# Allegro board 038RT-9068CJK8E-A100_0921.brd (continued)
## Routing (per net, layer and track width the routed paths; a pad name or vN(x,y) marks a point on that pad's centre or on a via; arc(x,y) is an arc through that point) (continued)
  BOTTOM w0.105: v1(132.06,272.43) 132.16,272.53 132.91,272.53 134.31,273.93 134.31,276.61 134.5,276.8 135.01,276.8 UNK2K184.22
  BOTTOM w0.115: v1(328.19,245.3) MUX4.4
S2_DCH_P5_HSO-: length 276.6
  L36_SIGNAL w0.1: v1(328.19,237.43) 328.45,237.68 328.45,241.08 328.56,241.2 331.77,241.2 332.31,241.74 332.31,244.37 330.3,246.38 325.08,246.38 322.04,243.35 322.04,240.89 313.71,232.56 243.95,232.56 243.16,231.76 207.59,231.76 206.36,232.99 206.36,246.32 203.66,249.02 127.08,249.02 126.1,250 126.1,251.13 125.2,252.03 125.2,259.41 126.1,260.32 126.1,264.01 133.5,271.41 133.5,272.35 132.9,272.94 132.21,272.94 v1(132.06,273.09)
  BOTTOM w0.105: UNK2K184.23 135.01,277.26 134.3,277.26 133.85,276.8 133.85,274.13 132.71,272.99 132.16,272.99 v1(132.06,273.09)
  BOTTOM w0.115: v1(328.19,237.43) MUX4.9
S2_DCH_P6_CLKREQB: length 163
  L03_SIGNAL w0.145: UNK2K211.4 318.07,419.04 320.75,419.04 321.62,418.17 321.62,416.25 318.25,412.88 318.25,395.59 322.56,391.27 322.56,279.58 325.77,276.37 325.77,270.45 328.06,268.16 v1(328.19,268.16)
  BOTTOM w0.115: v1(328.19,268.16) MUX11.4
S2_DCH_P6_HSI+: length 187.8
  L11_SIGNAL w0.14: 339.76,207.27 340.4,207.27 340.65,207.52 340.65,209.58 341.08,210.01 341.08,214.43 338.97,216.53 320.18,216.53 301.02,235.69 258.07,235.69 256.99,236.77 222.92,236.77 218.82,240.87 218.82,254.87 220.12,256.17 222.47,256.17 226.79,251.85 226.79,245.38 225.04,243.63 222.97,243.63
  L11_SIGNAL w0.15: v1(339.62,211.01) 339.62,207.41 339.76,207.27 ; 222.97,243.63 v1(222.83,243.49)
  BOTTOM w0.115: v1(339.62,211.01) MUX6.4
  BOTTOM w0.14: UNK2K214.24 227.01,245.88 226.08,245.88 223.83,243.63 222.97,243.63 v1(222.83,243.49)
S2_DCH_P6_HSI-: length 187.8
  L11_SIGNAL w0.14: 222.97,244.02 224.88,244.02 226.4,245.54 226.4,245.89 226.24,246.05 226.05,246.05 225.89,246.22 225.89,246.45 226.05,246.61 226.24,246.61 226.4,246.78 226.4,247.01 226.24,247.17 226.05,247.17 225.89,247.34 225.89,247.57 226.05,247.73 226.24,247.73 226.4,247.9 226.4,251.69 222.31,255.78 220.28,255.78 219.21,254.71 219.21,241.03 223.08,237.16 257.15,237.16 258.24,236.08 301.19,236.08 320.34,216.92 339.13,216.92 341.47,214.59 341.47,209.85 341.04,209.41 341.04,207.36 340.56,206.88 339.76,206.88
  L11_SIGNAL w0.15: 222.97,244.02 v1(222.83,244.15) ; 339.76,206.88 339.62,206.74 v1(339.62,203.14)
  BOTTOM w0.115: v1(339.62,203.14) MUX6.9
  BOTTOM w0.14: v1(222.83,244.15) 222.97,244.02 223.67,244.02 225.92,246.27 227.01,246.27 UNK2K214.25
S2_DCH_P6_HSO+: length 261.6
  L36_SIGNAL w0.14: 130.15,258.8 129.31,258.8 128.7,258.19 128.7,253.61 129.51,252.8 204.2,252.8 211.76,245.24 211.76,239.45 216.52,234.7 310.1,234.7 326.04,250.63 328.89,250.63 333.32,246.2 340.61,246.2 340.81,246 341.17,246 341.37,246.2 343.06,246.2 343.8,245.46 343.8,242.19 343.26,241.65 340.21,241.65
  L36_SIGNAL w0.15: v1(339.62,245.3) 339.86,245.07 339.86,242.01 340.21,241.65 ; v1(130.29,258.94) 130.15,258.8
  BOTTOM w0.115: v1(339.62,245.3) MUX7.4
  BOTTOM w0.14: UNK2K217.25 134.97,262.07 133.71,262.07 132.74,261.1 132.74,259.78 131.76,258.8 130.42,258.8 v1(130.29,258.94)
S2_DCH_P6_HSO-: length 261.6
  L36_SIGNAL w0.14: 340.23,241.26 343.42,241.26 344.19,242.03 344.19,245.62 343.22,246.59 333.49,246.59 329.05,251.02 325.88,251.02 309.94,235.09 216.68,235.09 212.15,239.61 212.15,245.4 204.37,253.19 129.67,253.19 129.09,253.77 129.09,258.02 129.48,258.41 130.15,258.41
  L36_SIGNAL w0.15: 340.23,241.26 339.89,240.92 339.89,237.69 v1(339.62,237.43) ; v1(130.29,258.28) 130.15,258.41
  BOTTOM w0.115: v1(339.62,237.43) MUX7.9
  BOTTOM w0.14: v1(130.29,258.28) 130.42,258.41 131.92,258.41 133.13,259.62 133.13,260.94 133.87,261.68 134.97,261.68 UNK2K217.24
S2_DCH_P6_ISOLATEB: length 247.4
  L07_SIGNAL w0.105: v1(339.62,233.87) 340.85,235.1 340.85,280.35 339,282.21 339,287.39 306.18,320.21 306.18,372 261.6,416.57 261.6,424.43 258.94,427.1 251.32,427.1 250.55,426.34 250.55,419.74 UNK2K220.4
  BOTTOM w0.115: v1(339.62,233.87) MUX13.4
S2_DCH_P6_LANWAKEB: length 184.5
  L03_SIGNAL w0.145: v1(339.62,268.16) 332.62,275.16 332.62,382.95 319.49,396.09 319.49,410.24 323.36,414.11 323.36,422.92 322.29,423.99 312.83,423.99 312.28,423.45 312.28,419.46 UNK2K212.4
  BOTTOM w0.115: v1(339.62,268.16) MUX12.4
S2_DCH_P6_PCIE_RESETB: length 248.4
  L07_SIGNAL w0.105: v1(339.62,222.44) 337.19,224.87 337.19,227.76 337.83,228.4 337.83,236.73 337.07,237.49 337.07,238.84 337.88,239.65 337.88,248.13 337.07,248.95 337.07,250.06 337.8,250.8 337.8,259.03 337.04,259.79 337.04,261.59 337.83,262.38 337.83,271.07 337.12,271.78 337.12,272.8 337.85,273.53 337.85,286.79 305.01,319.63 305.01,371.07 259.83,416.26 259.83,423.04 259.19,423.67 256.9,423.67 256.52,423.29 256.52,419.5 UNK2K221.4
  BOTTOM w0.115: v1(339.62,222.44) MUX14.4
S2_DCH_P6_REFCLK_100M+: length 191.5
  L11_SIGNAL w0.1: v1(327.87,211.01) 327.87,207.36 327.97,207.26 331.46,207.26 336.91,201.8 343.54,201.8 344.33,202.59 344.33,218.97 339.51,223.8 319.13,223.8 305.42,237.52 258.75,237.52 257.87,238.4 223.76,238.4 220.45,241.71 220.45,251.27 221.18,252 223.95,252 v1(224.1,252.15)
  BOTTOM w0.105: v1(224.1,252.15) 224.2,252.05 224.64,252.05 225.89,250.8 227.05,250.8 UNK2K214.34
  BOTTOM w0.115: v1(327.87,211.01) MUX5.4
S2_DCH_P6_REFCLK_100M-: length 191.5
  L11_SIGNAL w0.1: v1(327.87,203.14) 327.87,206.79 327.97,206.89 331.31,206.89 336.76,201.44 343.7,201.44 344.7,202.44 344.7,219.12 339.66,224.16 319.29,224.16 305.57,237.88 258.9,237.88 258.02,238.76 223.91,238.76 220.81,241.86 220.81,251.12 221.33,251.64 223.95,251.64 v1(224.1,251.49)
  BOTTOM w0.105: UNK2K214.33 227.05,250.34 225.7,250.34 224.45,251.59 224.2,251.59 v1(224.1,251.49)
  BOTTOM w0.115: v1(327.87,203.14) MUX5.9
S2_DCH_P7_CLKREQB: length 165.4
  L03_SIGNAL w0.145: v1(328.19,260.29) 328.11,260.38 327.59,260.38 326.93,261.04 326.93,261.95 326.37,262.51 326.37,268.81 325.14,270.05 325.14,276.05 321.83,279.36 321.83,391.11 317.61,395.33 317.61,415.38 UNK2K211.5
  BOTTOM w0.115: v1(328.19,260.29) MUX11.9
S2_DCH_P7_HSI+: length 180.4
  L11_SIGNAL w0.14: 339.76,195.84 343.09,195.84 346.41,199.16 346.41,231.22 341.72,235.92 322.34,235.92 318.68,239.57 259.45,239.57 258.93,240.1 248.44,240.1 247.07,241.47 235.02,241.47 234.86,241.3 234.86,241.12 234.69,240.95 234.46,240.95 234.3,241.12 234.3,241.3 234.13,241.47 233.9,241.47 233.74,241.3 233.74,241.12 233.57,240.95 233.34,240.95 233.18,241.12 233.18,241.3 233.01,241.47 232.26,241.47 230.78,242.94 227.37,242.94 226.06,241.63 224.24,241.63
  L11_SIGNAL w0.15: v1(339.62,199.58) 339.62,195.98 339.76,195.84 ; v1(224.1,241.49) 224.24,241.63
  BOTTOM w0.115: v1(339.62,199.58) MUX9.4
  BOTTOM w0.14: UNK2K214.22 227.01,244.88 226.23,244.88 225.74,244.39 225.74,242.55 224.82,241.63 224.24,241.63 v1(224.1,241.49)
S2_DCH_P7_HSI-: length 180.4
  L11_SIGNAL w0.14: 339.76,195.45 343.25,195.45 346.8,199 346.8,231.38 341.88,236.31 322.5,236.31 318.84,239.96 259.61,239.96 259.09,240.49 248.6,240.49 247.23,241.86 232.42,241.86 230.95,243.33 227.21,243.33 225.9,242.02 224.24,242.02
  L11_SIGNAL w0.15: v1(339.62,191.71) 339.62,195.31 339.76,195.45 ; v1(224.1,242.15) 224.24,242.02
  BOTTOM w0.115: v1(339.62,191.71) MUX9.9
  BOTTOM w0.14: v1(224.1,242.15) 224.24,242.02 224.66,242.02 225.35,242.71 225.35,244.55 226.06,245.27 227.01,245.27 UNK2K214.23
S2_DCH_P7_HSO+: length 259.4
  L36_SIGNAL w0.14: 131.93,256.8 130.77,256.8 130.22,256.25 130.22,255.22 130.77,254.67 134.59,254.67 135.05,255.14 207.63,255.14 216.03,246.73 216.03,240.72 219.54,237.21 307.51,237.21 317.8,247.51 317.8,250.51 321.89,254.61 329.4,254.61 332.74,257.95 341.22,257.95 341.43,257.75 341.78,257.75 341.99,257.95 343.41,257.95 344.12,257.24 344.12,253.94 343.26,253.08 340.21,253.08
  L36_SIGNAL w0.15: v1(132.06,256.94) 131.93,256.8 ; 340.21,253.08 339.86,253.44 339.86,256.5 v1(339.62,256.73)
  BOTTOM w0.115: v1(339.62,256.73) MUX10.4
  BOTTOM w0.14: v1(132.06,256.94) 132.2,256.8 133.09,256.8 133.73,257.44 133.73,260.62 134.18,261.07 134.97,261.07 UNK2K217.23
S2_DCH_P7_HSO-: length 259.4
  L36_SIGNAL w0.14: 131.93,256.41 130.93,256.41 130.61,256.09 130.61,255.39 130.93,255.06 134.43,255.06 134.89,255.53 207.79,255.53 216.42,246.89 216.42,240.88 219.7,237.6 307.34,237.6 317.41,247.67 317.41,250.67 321.73,255 329.24,255 332.58,258.34 343.57,258.34 344.51,257.4 344.51,253.78 343.42,252.69 340.23,252.69
  L36_SIGNAL w0.15: v1(132.06,256.28) 131.93,256.41 ; 340.23,252.69 339.89,252.35 339.89,249.12 v1(339.62,248.86)
  BOTTOM w0.115: v1(339.62,248.86) MUX10.9
  BOTTOM w0.14: UNK2K217.22 134.97,260.68 134.34,260.68 134.12,260.46 134.12,257.28 133.25,256.41 132.2,256.41 v1(132.06,256.28)
S2_DCH_P7_ISOLATEB: length 247.9
  L07_SIGNAL w0.105: v1(339.62,226) 339.01,226 338.44,226.57 338.44,233.25 338.85,233.65 338.85,235.61 340.27,237.03 340.27,280.11 338.41,281.97 338.41,287.15 305.6,319.96 305.6,371.75 261.05,416.31 261.05,422.83 259.57,424.31 254.24,424.31 253.35,423.42 253.35,419.33 UNK2K220.5
  BOTTOM w0.115: v1(339.62,226) MUX13.9
S2_DCH_P7_LANWAKEB: length 184
  L03_SIGNAL w0.145: UNK2K212.5 315.47,419.44 315.47,420.93 315.83,421.29 321.93,421.29 322.69,420.53 322.69,414.68 318.88,410.87 318.88,395.83 332.01,382.7 332.01,274.93 337.5,269.44 337.5,262.92 338.34,262.08 338.34,260.99 338.92,260.4 339.51,260.4 v1(339.62,260.29)
  BOTTOM w0.115: v1(339.62,260.29) MUX12.9
S2_DCH_P7_PCIE_RESETB: length 242.6
  L07_SIGNAL w0.105: UNK2K221.5 258.19,417.07 304.43,370.83 304.43,319.39 337.27,286.55 337.27,273.77 336.53,273.04 336.53,271.54 337.25,270.83 337.25,262.62 336.46,261.84 336.46,259.55 337.22,258.79 337.22,251.04 336.48,250.31 336.48,248.7 337.3,247.89 337.3,240.03 336.25,238.99 336.25,237.39 337.27,236.37 337.27,228.7 336.64,228.07 336.64,224.41 337.63,223.42 337.63,216.1 339,214.73 339.46,214.73 v1(339.62,214.57)
  BOTTOM w0.115: v1(339.62,214.57) MUX14.9
S2_DCH_P7_REFCLK_100M+: length 144.4
  L13_SIGNAL w0.1: v1(328.19,256.73) 328.19,253.08 328.29,252.98 328.71,252.98 329.15,253.42 329.15,254.41 329.68,254.94 329.68,257 329.07,257.61 323.02,257.61 303.46,238.05 223.36,238.05 220.77,240.65 220.77,249.32 221.45,250 222.68,250 v1(222.83,250.15)
  BOTTOM w0.105: v1(222.83,250.15) 222.93,250.05 224.56,250.05 224.81,249.8 227.05,249.8 UNK2K214.32
  BOTTOM w0.115: v1(328.19,256.73) MUX8.4
S2_DCH_P7_REFCLK_100M-: length 144.4
  L13_SIGNAL w0.1: v1(222.83,249.49) 222.68,249.64 221.6,249.64 221.13,249.17 221.13,240.8 223.52,238.42 303.31,238.42 322.87,257.97 329.22,257.97 330.04,257.15 330.04,254.79 329.52,254.26 329.52,253.27 328.86,252.61 328.29,252.61 328.19,252.51 v1(328.19,248.86)
  BOTTOM w0.105: UNK2K214.31 227.05,249.34 224.61,249.34 224.36,249.59 222.93,249.59 v1(222.83,249.49)
  BOTTOM w0.115: v1(328.19,248.86) MUX8.9
S2_DISB: length 56.2
  L07_SIGNAL w0.105: v1(225.31,266.2) 227.17,264.34 236.8,264.34 241.05,260.08 275.96,260.08 v1(278.1,262.22)
S2_DPS_AVDD09: length 0.8
  TOP w0.203: UNK2ST2.1 v2(326.04,438.48)
  vias: v2(324.5,454.28) v2(324.5,453.01) v2(324.5,451.74) v2(324.5,449.2) v2(324.5,447.93) v2(324.5,446.66) v2(325.71,442.95) v2(325.71,440.44) v2(325.77,454.28) v2(325.77,453.01) v2(325.77,451.74) v2(325.77,449.2) v2(325.77,447.93) v2(325.77,446.66) v2(328.05,444.37) v2(328.05,443.1) v2(328.05,441.83) v2(328.05,439.8) v2(328.05,438.53) v2(328.05,437.26)
S2_DPS_AVDD33:
  vias: v1(265.77,265.82) v1(265.77,265.19) v1(265.77,263.66) v1(266.4,265.82) v1(266.4,265.19) v1(266.4,263.66) v2(164.24,450.52) v2(164.24,444.17) v2(164.24,442.9) v2(164.24,435.28) v2(164.24,432.1) v2(164.24,425.75) v2(164.24,424.48) v2(165.51,450.52) v2(165.51,444.17) v2(165.51,442.9) v2(165.51,432.1) v2(165.51,425.75) v2(165.51,424.48) v2(166.78,450.52) v2(166.78,444.17) v2(166.78,442.9) v2(166.78,432.1) v2(166.78,425.75) v2(166.78,424.48) v2(169.95,450.52) v2(169.95,444.17) v2(169.95,442.9) v2(169.95,435.28) v2(169.95,432.1) v2(169.95,425.75) v2(169.95,424.48) v2(171.22,450.52) v2(171.22,444.17) v2(171.22,442.9) v2(171.22,432.1) v2(171.22,425.75) v2(171.22,424.48) v2(172.49,450.52) v2(172.49,444.17) v2(172.49,442.9) v2(172.49,432.1) v2(172.49,425.75) v2(172.49,424.48)
S2_DPS_DVDD09:
  vias: v2(334.02,452.68) v2(334.02,449.5) v2(334.02,443.15) v2(334.02,441.88) v2(334.02,434.26) v2(334.02,431.09) v2(334.02,424.74) v2(334.02,423.47) v2(335.29,449.5) v2(335.29,443.15) v2(335.29,441.88) v2(335.29,431.09) v2(335.29,424.74) v2(335.29,423.47) v2(336.56,449.5) v2(336.56,443.15) v2(336.56,441.88) v2(336.56,431.09) v2(336.56,424.74) v2(336.56,423.47) v2(339.74,452.68) v2(339.74,449.5) v2(339.74,443.15) v2(339.74,441.88) v2(339.74,434.26) v2(339.74,431.09) v2(339.74,424.74) v2(339.74,423.47) v2(341.01,449.5) v2(341.01,443.15) v2(341.01,441.88) v2(341.01,431.09) v2(341.01,424.74) v2(341.01,423.47) v2(342.28,449.5) v2(342.28,443.15) v2(342.28,441.88) v2(342.28,431.09) v2(342.28,424.74) v2(342.28,423.47)
S2_DPS_DVDD33:
  vias: v1(292.04,242.02) v1(292.04,241.38) v2(175.77,432.1) v2(175.77,422.2) v2(177.04,432.1) v2(177.04,422.2) v2(178.31,435.28) v2(178.31,432.1) v2(178.31,422.2)
S2_DPS_GPIO_P015VDDIO:
  vias: v2(189.64,450.52) v2(189.64,444.17) v2(189.64,442.9) v2(190.91,450.52) v2(190.91,444.17) v2(190.91,442.9) v2(192.18,450.52) v2(192.18,444.17) v2(192.18,442.9) v2(192.28,435.28) v2(195.99,450.52) v2(195.99,444.17) v2(195.99,442.9) v2(197.26,450.52) v2(197.26,444.17) v2(197.26,442.9) v2(198.53,450.52) v2(198.53,444.17) v2(198.53,442.9) v2(198.63,435.28)
S2_DPS_LDOIN:
  vias: v1(290.14,242.02) v1(290.14,241.38) v2(175.67,450.52) v2(175.67,444.17) v2(175.67,442.9) v2(176.94,450.52) v2(176.94,444.17) v2(176.94,442.9) v2(178.21,450.52) v2(178.21,444.17) v2(178.21,442.9) v2(183.29,450.52) v2(183.29,444.17) v2(183.29,442.9) v2(184.56,450.52) v2(184.56,444.17) v2(184.56,442.9) v2(185.83,450.52) v2(185.83,444.17) v2(185.83,442.9) v2(185.93,435.28)
S2_DVDD09: length 48.6
  TOP w0.508: v1(286.62,253.92) 286.62,249.58 284.9,247.85 284.9,238.51 S2_DVDD09.1
  L15_SIGNAL w0.102: v1(285.3,271.82) 285.47,271.65 286.23,271.65 286.5,271.38 286.5,258.7
  L15_SIGNAL w0.203: v2(288.82,243.22) 288.82,256.95 287.47,258.3 286.9,258.3 286.5,258.7
  BOTTOM w0.203: UNK2ST1.1 v2(288.82,243.22)
  vias: v1(279.7,267.82) v1(279.7,267.02) v1(283.7,268.62) v1(284.5,271.82) v1(284.5,269.42) v1(284.5,267.82) v1(284.5,267.02) v1(284.5,266.22) v1(284.5,265.42) v1(285.3,269.42) v1(285.3,264.62) v1(285.3,263.82) v1(285.98,254.75) v1(285.98,253.92) v1(286.1,269.42) v1(286.1,264.62) v1(286.1,263.82) v1(286.62,254.75) v1(286.9,271.82) v1(286.9,264.62) v1(286.9,263.82)
S2_DVDD09_VO09: length 6.7
  TOP w3.048: UNK2K4.5 322.97,423.21 UNK2RD11.1
S2_DVDD33: length 12.3
  TOP w0.508: v1(296.09,248.94) 295.59,248.44 295.59,246.33 293.23,243.97 S2_DVDD33.1
  vias: v1(287.7,264.62) v1(287.7,263.82) v1(288.5,263.82) v1(288.5,260.59) v1(290.9,263.82) v1(295.6,250.4) v1(296.09,249.57)
S2_F_AVDD09:
  vias: v1(281.88,244.05) v1(281.88,243.41)
S2_F_DVDD09:
  vias: v1(281.57,241.95) v1(281.57,241.32) v1(282.2,241.95) v1(282.2,241.32)
S2_F_GPIO_VDDIO:
  vias: v1(274.65,242.02) v1(274.65,241.38)
S2_F_P0_1_5_VDDIO:
  vias: v1(265.77,273.44) v1(266.4,273.44) v1(305.98,265.67) v1(305.98,263.64) v1(306.61,265.67) v1(306.61,263.64)
S2_FE_LED0: length 20.9
  L05_SIGNAL w0.102: v1(289.3,263.82) 289.7,263.42 292.92,263.42
  L05_SIGNAL w0.105: 292.92,263.42 295.14,263.42 297.47,261.08 308.52,261.08 v1(308.89,261.45)
S2_FE_LED1: length 24.6
  L05_SIGNAL w0.102: v1(289.3,263.02) 289.7,262.62 292.92,262.62
  L05_SIGNAL w0.105: v1(312.06,258.91) 310.84,260.13 296.54,260.13 293.92,262.74 293.04,262.74 292.92,262.62
S2_FE_MDI+: length 280.6
  L09_SIGNAL w0.1: UNK2K56.3 61,371.17 61.1,371.07 61.1,367.6 61.82,366.88 65.1,366.88 66.06,367.84 66.2,367.84 66.3,367.74 66.44,367.74 66.59,367.88 66.59,368.02 66.48,368.12 66.48,368.27 66.63,368.41 66.77,368.41 66.87,368.31 67.01,368.31 67.15,368.45 67.15,368.59 67.05,368.69 67.05,368.83 67.19,368.97 67.33,368.97 67.43,368.87 67.58,368.87 67.72,369.01 67.72,369.16 67.62,369.26 67.62,369.4 67.76,369.54 67.9,369.54 68,369.44 68.14,369.44 68.28,369.58 68.28,369.72 68.18,369.82 68.18,369.97 68.32,370.11 68.47,370.11 68.57,370.01 68.71,370.01 68.85,370.15 68.85,370.29 68.75,370.39 68.75,370.53 69.83,371.61 79.5,371.61 112.46,338.65 164.53,338.65 185.01,318.17 235.98,318.17 263.44,290.72 263.44,280.82 266.19,278.06 269.16,278.06 270.44,276.79 281.63,276.79 284.31,274.11 284.31,273.85 284.1,273.64
  L09_SIGNAL w0.102: v1(283.7,272.62) 284.1,273.02 284.1,273.64
S2_FE_MDI-: length 280.6
  L09_SIGNAL w0.1: 284.72,273.84 284.68,273.88 284.68,274.26 281.78,277.16 270.59,277.16 269.32,278.43 266.34,278.43 263.8,280.97 263.8,290.87 236.13,318.54 185.16,318.54 164.68,339.02 112.61,339.02 79.65,371.98 69.68,371.98 64.95,367.25 61.97,367.25 61.47,367.75 61.47,371.07 61.57,371.17 UNK2K56.6
  L09_SIGNAL w0.102: 284.72,273.84 284.9,273.67 284.9,272.45 284.66,272.22 283.3,272.22 v1(282.9,272.62)
S2_FE_MDIX+: length 289.4
  L09_SIGNAL w0.1: 281.53,273.02 280.47,274.08 271.07,274.08 268.96,276.2 264.9,276.2 261,280.1 261,289.62 235.52,315.1 182.87,315.1 162.94,335.03 111.12,335.03 96.3,349.85 82.41,349.85 78.51,353.75 78.51,365.48 76.94,367.05 70.97,367.05 67.95,364.02 55.42,364.02 54.06,365.39 54.06,371.07 53.96,371.17 UNK2K52.3
  L09_SIGNAL w0.102: v1(282.9,273.42) 282.5,273.02 281.53,273.02
S2_FE_MDIX-: length 289.4
  L09_SIGNAL w0.1: UNK2K52.6 54.52,371.17 54.42,371.07 54.42,365.54 55.57,364.39 67.8,364.39 68.24,364.83 68.24,364.97 68.16,365.05 68.16,365.19 68.3,365.33 68.44,365.33 68.52,365.26 68.66,365.26 68.81,365.4 68.81,365.54 68.73,365.62 68.73,365.76 68.87,365.9 69.01,365.9 69.09,365.82 69.23,365.82 69.37,365.96 69.37,366.11 69.29,366.18 69.29,366.33 69.44,366.47 69.58,366.47 69.66,366.39 69.8,366.39 69.94,366.53 69.94,366.67 69.86,366.75 69.86,366.89 70,367.03 70.14,367.03 70.22,366.96 70.36,366.96 70.82,367.41 77.09,367.41 78.87,365.63 78.87,353.9 82.56,350.21 96.45,350.21 111.27,335.39 163.09,335.39 183.02,315.47 235.67,315.47 261.36,289.77 261.36,280.25 265.05,276.56 269.11,276.56 271.22,274.45 280.62,274.45 281.08,273.99 281.08,273.99 281.68,273.38
  L09_SIGNAL w0.102: 281.68,273.38 282.06,273.38 v1(282.1,273.42)
S2_GPIO_VDDIO: length 37.6
  TOP w0.508: S2_GPIO_VDDIO.1 274.81,239.1 273.21,240.7 273.21,242.7 276.34,245.83 276.34,250.72 v1(276.59,250.97)
  L15_SIGNAL w0.102: v1(279.7,264.62) 279.3,264.23 279.3,259.45
  L15_SIGNAL w0.203: 279.3,259.45 279.44,259.31 279.44,254.05 278.7,253.3 v2(278.7,243.43)
  BOTTOM w0.203: UNK2ST6.1 v2(278.7,243.43)
  vias: v1(276.59,251.6) v1(279.7,263.02) v1(279.7,261.42) v1(282.1,264.62) v1(282.1,262.22) v1(282.1,261.42) v1(282.9,265.42) v1(284.5,264.62) v1(284.5,263.02)
S2_GPIOA_0: length 59.3
  L07_SIGNAL w0.105: v1(278.1,265.42) 277.5,266.02 276.67,266.02 276.17,266.51 270.06,266.51 268.33,268.24 265.31,268.24 261.67,271.89 244.68,271.89 236.33,280.23 226.19,280.23 v1(225.31,281.11)
S2_GPIOA_1: length 139.5
  L36_SIGNAL w0.105: v1(148.87,273.73) 148.87,274.4 148.39,274.89 148.39,276.66 150.39,278.67 210.72,278.67 217.44,271.95 242.79,271.95 246.74,268 263.22,268 264.67,266.56 267.77,266.56 269.42,264.91 275.99,264.91 276.28,264.62 v1(278.1,264.62)
S2_GPIOA_2: length 136.2
  L36_SIGNAL w0.105: v1(148.87,275.26) 151.58,277.97 210.26,277.97 217,271.23 242.07,271.23 245.95,267.35 262.22,267.35 265.14,264.43 268.25,264.43 268.57,264.11 275.66,264.11 275.95,263.82 v1(278.1,263.82)
S2_GPIOA_3: length 57.5
  L07_SIGNAL w0.105: v1(225.31,270.11) 227.62,267.79 241.29,267.79 248.19,260.9 275.97,260.9 v1(278.1,263.02)
S2_GPIOB_0: length 61.8
  L07_SIGNAL w0.102: v1(278.9,265.42) 278.5,265.82 278.5,266.52 278.4,266.62 277.68,266.62
  L07_SIGNAL w0.105: v1(225.31,284.28) 228.59,281 236.9,281 243.27,274.63 262.41,274.63 265.45,271.59 267.72,271.59 271.72,267.59 275.88,267.59 276.85,266.62 277.68,266.62
S2_GPIOB_1: length 59.4
  L07_SIGNAL w0.102: v1(278.9,264.62) 278.5,264.22 277.92,264.22
  L07_SIGNAL w0.105: v1(225.31,277.91) 226.55,276.67 236.71,276.67 245.69,267.69 261.98,267.69 265.19,264.48 277.66,264.48 277.92,264.22
S2_GPIOB_2: length 58.7
  L07_SIGNAL w0.102: 277.87,263.42 278.5,263.42 v1(278.9,263.82)
  L07_SIGNAL w0.105: 277.87,263.42 277.6,263.16 277.45,263.16 276.63,262.34 264.37,262.34 262.4,264.32 246.2,264.32 239.23,271.29 227.33,271.29 v1(225.31,273.31)
S2_GPIOC_0: length 65.2
  L07_SIGNAL w0.102: 277.68,267.42 280.01,267.42 280.1,267.33 280.1,265.82 v1(280.5,265.42)
  L07_SIGNAL w0.105: 277.68,267.42 277.01,267.42 275.93,268.5 271.62,268.5 267.25,272.87 265.54,272.87 262.99,275.42 244.18,275.42 235.17,284.43 228.33,284.43 v1(225.31,287.46)
S2_GPIOC_1: length 67.8
  L07_SIGNAL w0.102: v1(281.3,265.42) 280.9,265.82 280.9,268.08 280.76,268.22 277.68,268.22
  L07_SIGNAL w0.105: v1(225.31,290.66) 230.68,285.28 235.45,285.28 240.07,280.66 242.05,280.66 246.48,276.24 268.46,276.24 275.62,269.07 276.17,269.07 277.02,268.22 277.68,268.22
S2_H_SW_CTRL: length 2
  BOTTOM w0.115: UNK2R137.2 S2_SW_CTRL.1
S2_HOLD: length 27
  L03_SIGNAL w0.102: 292.92,263.42 290.5,263.42 v1(290.1,263.82)
  L03_SIGNAL w0.145: v1(315.24,261.45) 314.58,262.11 307.84,262.11 306.75,261.02 297.37,261.02 294.97,263.42 292.92,263.42
S2_INH: length 362.7
  L17_SIGNAL w1.016: 277.2,267.76 272.66,267.76 267.65,262.74 265.28,262.74 263.88,264.15 263.88,274.76 261.03,277.61 261.03,293.67 288.04,320.69 288.04,380.39 267.03,401.4 141.62,401.4 121.52,421.5 121.52,438.82 120.51,439.84 114.41,439.84 UNK2K6.5
  BOTTOM w1.016: UNK2R360.1 UNK2R275.1 UNK2K6.5
  vias: v1(280.5,267.02)
S2_INH_DIV2: length 4.3
  BOTTOM w1.016: UNK2R360.2 UNK2R361.1 UNK2K6.3
S2_INH_GND: length 9.4
  BOTTOM w1.016: UNK2K6.9 111.36,450.5 UNK2R361.2
S2_L_SW_CTRL: length 2
  BOTTOM w0.115: UNK2R138.2 S2_SW_CTRL.3
S2_LB_FE_MDI+: length 34.3
  L44_SIGNAL w0.1: v2(41.89,165.89) 41.69,166.09 39.58,166.09 39.16,166.5 36.18,166.5 34.99,167.7 33.78,167.7 33.68,167.6 31.49,167.6 31.12,167.97 31.12,169.17 31.45,169.5 33.73,169.5 33.91,169.33 34.89,169.33 35.28,169.71 36.09,169.71 36.21,169.59 37.92,169.59 39.01,168.51 40.62,168.51 40.76,168.65 40.76,169.12 38.79,171.09 36.85,171.09 v2(36.65,170.89)
  BOTTOM w0.105: v2(36.65,170.89) 36.8,171.04 39.25,171.04 UNK2U6.43 ; v2(41.89,165.89) 41.75,166.04 39.29,166.04 UNK2U6.53
S2_LB_FE_MDI-: length 34.3
  L44_SIGNAL w0.1: v2(41.89,166.66) 41.69,166.46 39.73,166.46 39.32,166.87 36.33,166.87 35.14,168.06 33.63,168.06 33.53,167.96 31.64,167.96 31.48,168.12 31.48,169.02 31.6,169.14 33.58,169.14 33.76,168.96 35.04,168.96 35.43,169.35 35.94,169.35 36.06,169.23 37.77,169.23 38.86,168.14 40.77,168.14 41.12,168.5 41.12,169.27 38.94,171.46 36.85,171.46 v2(36.65,171.66)
  BOTTOM w0.105: v2(36.65,171.66) 36.8,171.51 39.25,171.51 UNK2U6.42 ; UNK2U6.52 39.29,166.51 41.75,166.51 v2(41.89,166.66)
S2_LB_FE_MDIX+: length 33.8
  L44_SIGNAL w0.1: v2(36.65,162.89) 36.45,163.09 35.76,163.09 35.45,163.41 35.45,164.92 35.76,165.23 37.93,165.23 40.19,162.98 42.34,162.98 43.29,163.93 43.29,172.95 42.14,174.09 36.85,174.09 v2(36.65,173.89)
  BOTTOM w0.105: UNK2U6.37 39.25,174.04 36.8,174.04 v2(36.65,173.89) ; v2(36.65,162.89) 36.8,163.04 39.25,163.04 UNK2U6.59
S2_LB_FE_MDIX-: length 33.8
  L44_SIGNAL w0.1: v2(36.65,174.66) 36.85,174.46 42.29,174.46 43.65,173.1 43.65,163.78 42.49,162.61 40.04,162.61 37.78,164.87 35.91,164.87 35.81,164.77 35.81,163.56 35.91,163.46 36.45,163.46 v2(36.65,163.66)
  BOTTOM w0.105: v2(36.65,174.66) 36.8,174.51 39.25,174.51 UNK2U6.36 ; v2(36.65,163.66) 36.8,163.51 39.25,163.51 UNK2U6.58
S2_LB_P2_GIGA_MDI+: length 14.8
  L46_SIGNAL w0.136: v3(38.42,278.93) 38.53,279.04 38.53,280.02 39.02,280.51 39.92,280.51 40.26,280.85 40.26,281.77 v3(40.16,281.87)
  BOTTOM w0.105: UNK2K144.25 41.66,284.5 40.23,284.5 38.52,282.79 38.52,279.03 v3(38.42,278.93) ; UNK2K144.23 41.66,283.5 40.91,283.5 40.25,282.85 40.25,281.97 v3(40.16,281.87)
S2_LB_P2_GIGA_MDI-: length 14.8
  L46_SIGNAL w0.136: v3(39.08,278.93) 38.98,279.04 38.98,279.83 39.21,280.06 40.11,280.06 40.71,280.66 40.71,281.77 v3(40.82,281.87)
  BOTTOM w0.105: v3(39.08,278.93) 38.99,279.03 38.99,279.87 39.17,280.05 39.79,280.05 39.97,280.24 39.97,280.5 39.79,280.68 39.17,280.68 38.99,280.87 38.99,282.6 40.42,284.04 41.66,284.04 UNK2K144.24 ; v3(40.82,281.87) 40.72,281.97 40.72,282.65 41.1,283.04 41.66,283.04 UNK2K144.22
S2_LB_P3_GIGA_MDI+: length 15
  L46_SIGNAL w0.136: v3(35.41,290.38) 35.52,290.27 36.13,290.27 36.61,289.79 36.61,288.37 36.99,288 37.75,288 v3(37.85,288.1)
  BOTTOM w0.105: v3(35.41,290.38) 35.51,290.28 38.07,290.28 39.35,289 41.66,289 UNK2K144.34 ; v3(37.85,288.1) 37.95,288 41.66,288 UNK2K144.32
S2_LB_P3_GIGA_MDI-: length 15
  L46_SIGNAL w0.136: v3(37.85,287.44) 37.75,287.54 36.8,287.54 36.16,288.18 36.16,289.6 35.94,289.82 35.52,289.82 v3(35.41,289.72)
  BOTTOM w0.105: UNK2K144.31 41.66,287.54 37.95,287.54 v3(37.85,287.44) ; UNK2K144.33 41.66,288.54 39.16,288.54 37.88,289.82 35.51,289.82 v3(35.41,289.72)
